# Altium PCB LimeNet-Micro_2v1.PcbDoc (part 3 of 11) (continued)
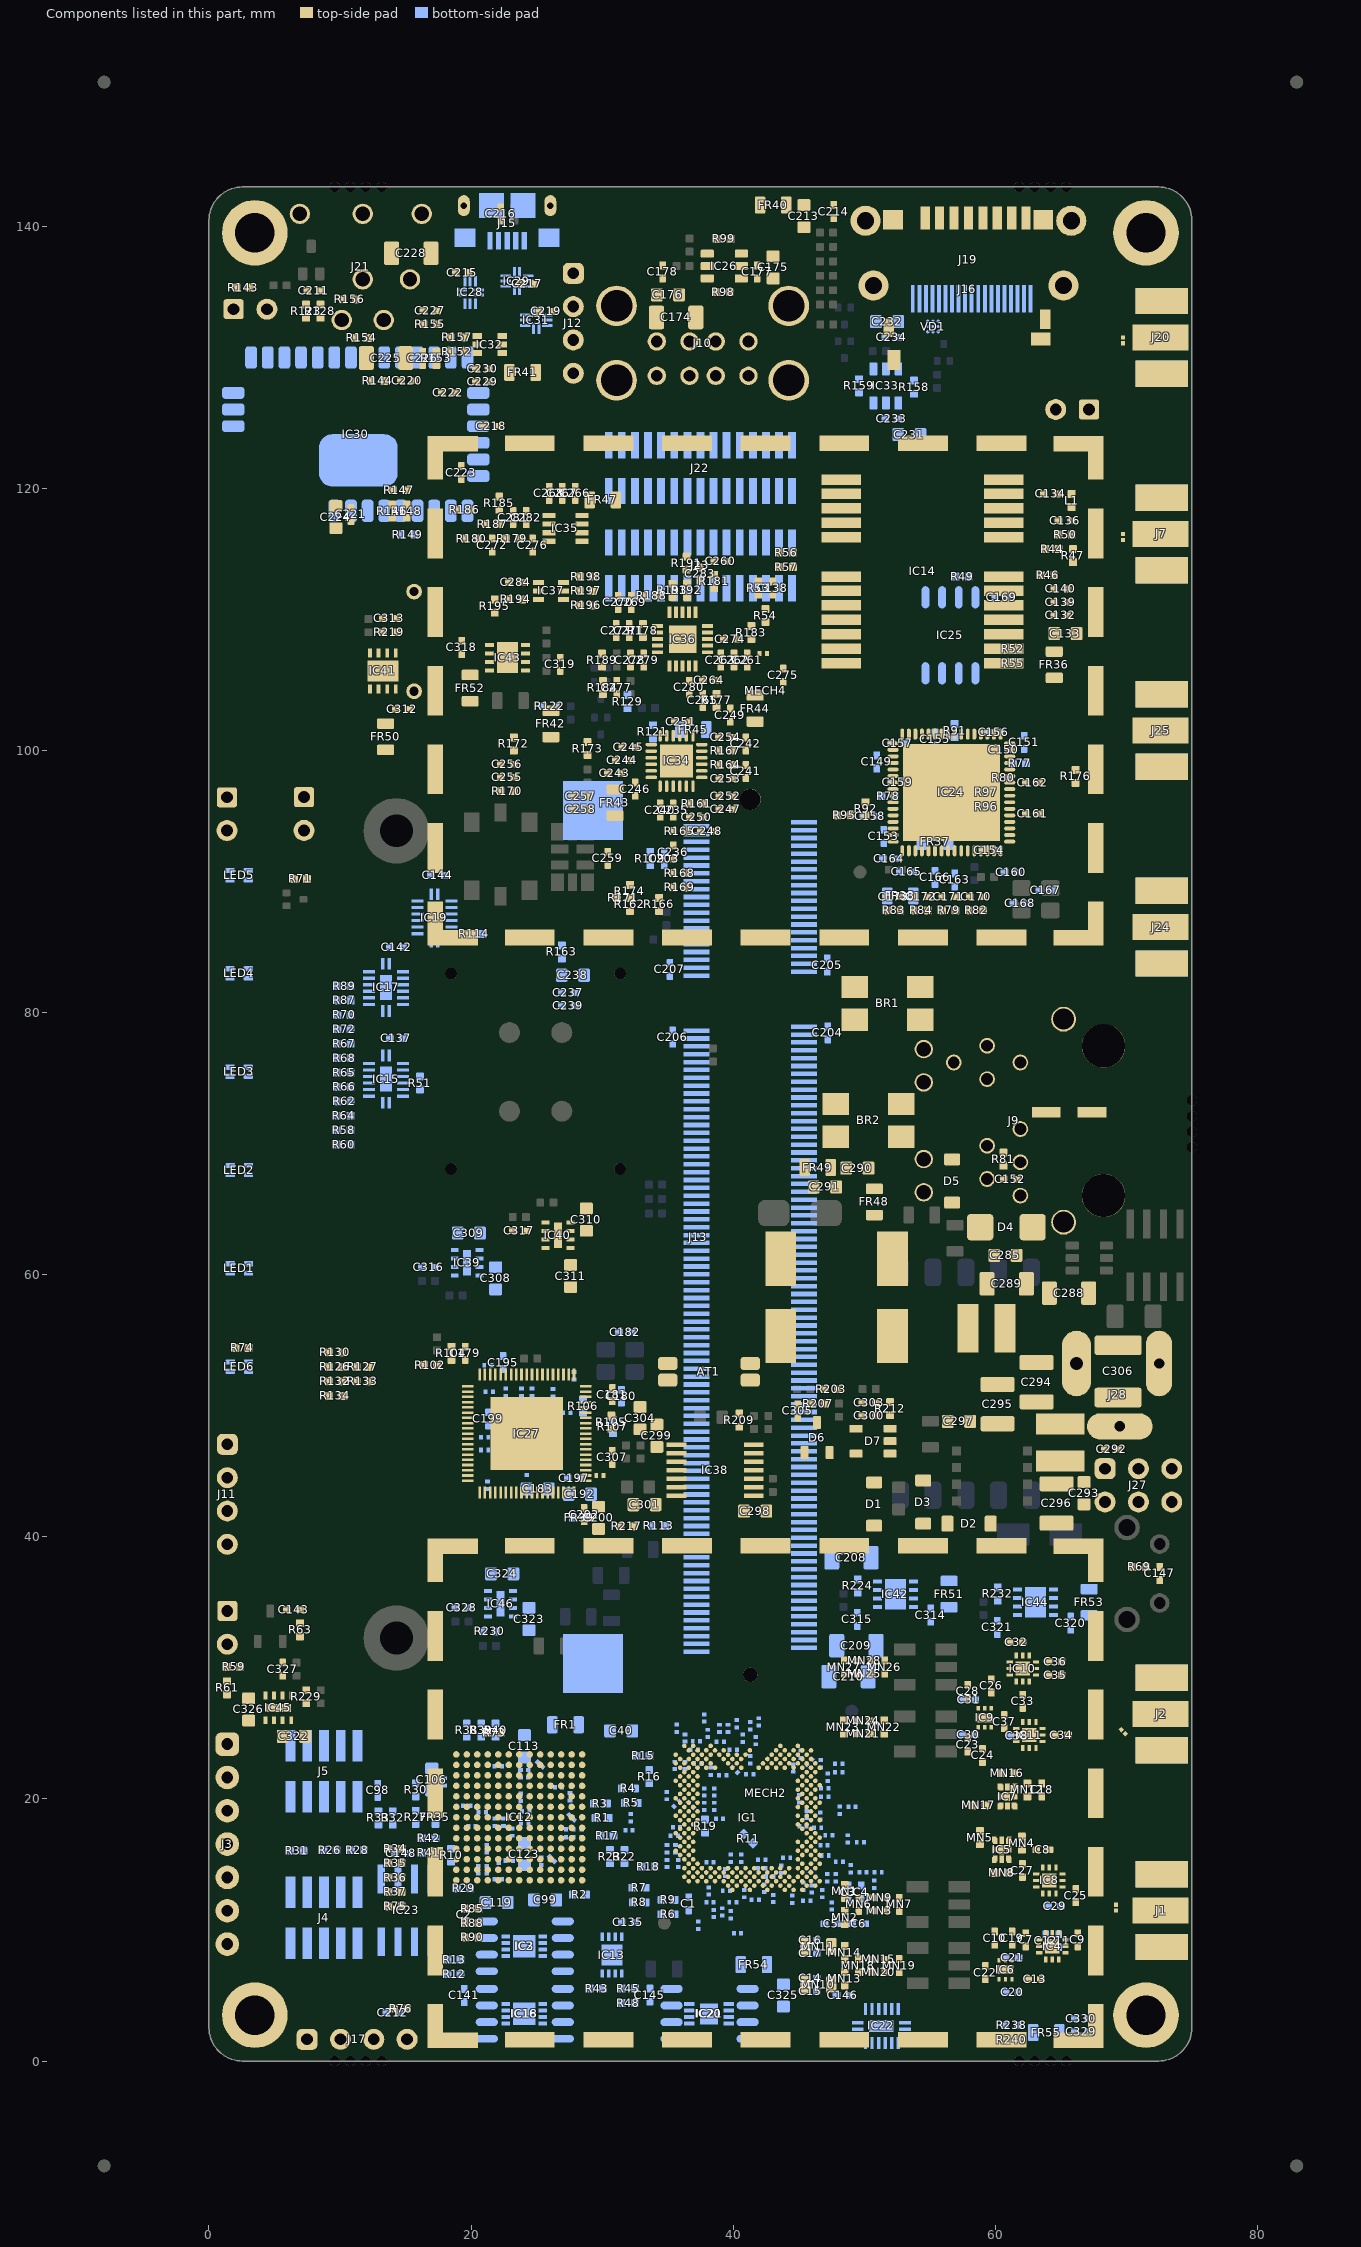
[diagram p7: the components of this part, seen from the top]
## Part data (continued)
IC7: library part Duplexer_taiyo_yuden_8pin, Manufacturer="Taiyo Yuden", Manufacturer Part Number 1=D6DA1G842K2C4-Z, Assembly Info=NF, Part Description="SAW DUPLEXER, LTE, BAND 3, 1814", Supplier 1="Taiyo Yuden", Supplier Part Number 1=D6DA1G842K2C4-Z
IC12: Manufacturer=Altera, Operating Temperature="0°C ~ 85°C (TJ)", Package / Case=169-LFBGA, Supplier Device Package="169-UBGA (11x11)", Supplier Part Number 1=544-3110-ND, Voltage - Supply="2.85 V ~ 3.465 V", Category="Integrated Circuits (ICs)", Manufacturer Part Number 1=10M16SAU169C8G, Mounting Type="Surface Mount", Number of Gates=-, Number of I/O=130, Number of LABs/CLBs=1000, Number of Logic Elements/Cells=16000, Part Description="IC FPGA/CPLD NV 130 I/O 169UBGA", RoHS="RoHS Compliant", Supplier 1=Digi-Key, Total RAM Bits=562176
IC13: Manufacturer="NXP Semiconductors", Manufacturer Part Number 1=LM75BTP,147, Operating Temperature="-55°C ~ 125°C", Package / Case="8-WFDFN Exposed Pad", Sensing Temperature - Remote=-, Supplier Device Package="8-HWSON (2x3)", Supplier Part Number 1=568-9815-2-ND, Voltage - Supply="2.8 V ~ 5.5 V", Accuracy - Highest (Lowest)="±2°C (±3°C)", Category="Sensors, Transducers", Features="Output Switch, Programmable Limit, Shutdown Mode", Output Type=I²C, Packaging="Tape & Reel (TR)", Part Description="SENSOR TEMPERATURE I2C 8HWSON", Resolution="10 b", RoHS="RoHS Compliant", Sensing Temperature - Local="-55°C ~ 125°C", Sensor Type="Digital, Local", Supplier 1=Digi-Key, Test Condition="-25°C ~ 100°C (-55°C ~ 125°C)"
IC14: library part NEO-M8P_M8M, "GNSS engine for GPS/QZSS, GLONASS", Manufacturer=u-blox, Manufacturer Part Number=NEO-M8Q-0, Supplier Part Number 1=672-1009-1-ND, ComponentLink1Description=https://www.u-blox.com/en/product/neo-7-series, ComponentLink1URL=https://www.u-blox.com/en/product/neo-7-series, ComponentLink2Description=Datasheet, ComponentLink3Description=https://www.u-blox.com/sites/default/files/NEO-M8-FW3_DataSheet_(UBX-15031086).pdf, ComponentLink3URL=https://www.u-blox.com/sites/default/files/NEO-M8-FW3_DataSheet_(UBX-15031086).pdf, Pricing 1="1=25, 10=20.244, 50=16.6216, 100=13.314 (USD)", Stock 1=5505, Supplier 1=Digi-Key
IC15 IC17 IC19 IC22: library part 74HC595BQ,115, Manufacturer="Nexperia USA Inc.", Manufacturer Part Number 1=74AHC595BQ,115, Operating Temperature="-40°C ~ 125°C", Package / Case="16-VFQFN Exposed Pad", Supplier Device Package="16-DHVQFN (2.5x3.5)", Supplier Part Number 1=1727-6021-2-ND, Voltage - Supply="2 V ~ 5.5 V", Base Part Number=74AHC595, Category="Integrated Circuits (ICs)", ComponentLink1Description=https://assets.nexperia.com/documents/data-sheet/74AHC_AHCT595.pdf, ComponentLink1URL=https://assets.nexperia.com/documents/data-sheet/74AHC_AHCT595.pdf, Function="Serial to Parallel, Serial", Logic Type="Shift Register", Mounting Type="Surface Mount", Output Type=Tri-State, Packaging="Tape & Reel (TR)", Part Description="C 8BIT SHIFT REGISTER 16-DHVQFN", Part Status=Active, Pricing 1="3000=0.17949, 6000=0.16791, 15000=0.15633, 30000=0.14822 (USD)", RoHS="RoHS Compliant", Stock 1=24000, Supplier 1=Digi-Key
IC20: library part ATECC508A_authentication_IC, Manufacturer=Microchip, Manufacturer Part Number 1=ATECC508A-MAHDA-S, Supplier Part Number 1=ATECC508A-MAHDA-SDKR-ND, Part Description="Authentication Chip IC Networking and Communications 8-UDFN (2x3)", Pricing 1="1=0.73, 25=0.7064 (USD)", Stock 1=27941, Supplier 1=Digi-Key
IC21: library part ATECC508A_authentication_IC, Base Part Number=ATECC508, Manufacturer="Microchip Technology", Manufacturer Part Number 1=ATECC508A-SSHDA-T, Package / Case="8-SOIC (0.154\", 3.90mm Width)", Supplier Device Package=8-SOIC, Supplier Part Number 1=ATECC508A-SSHDA-TCT-ND, Applications="Networking and Communications", Assembly Info=NF, Category="Integrated Circuits (ICs)", Mounting Type="Surface Mount", Packaging="Cut Tape (CT)", Part Description="Authentication Chip IC Networking and Communications 8-SOIC", Part Status=Active, RoHS="RoHS Compliant", Supplier 1=Digi-Key, Type="Authentication Chip"
IC23: library part M25P40, Manufacturer="ISSI, Integrated Silicon Solution Inc", Manufacturer Part Number 1=IS25LQ040B-JNLE, Operating Temperature="-40°C ~ 105°C (TA)", Package / Case="8-SOIC (0.154\", 3.90mm Width)", Supplier Device Package=8-SOIC, Supplier Part Number 1=706-1316-ND, Voltage - Supply="2.3 V ~ 3.6 V", Category="Integrated Circuits (ICs)", Memory Format=FLASH, Memory Interface="SPI - Quad I/O", Memory Size="4Mb (512K x 8)", Memory Type=Non-Volatile, Mounting Type="Surface Mount", Packaging=Bulk, Part Description="FLASH - NOR Memory IC 4Mb (512K x 8) SPI - Quad I/O 104MHz  8-SOIC", Part Status=Active, RoHS="RoHS Compliant", Supplier 1=Digi-Key, Technology="FLASH - NOR", Write Cycle Time - Word, Page=800µs
IC24: library part LAN9514-JZX-TR, Base Part Number=LAN9514, Current - Supply=288mA, Manufacturer="Microchip Technology", Operating Temperature="0°C ~ 70°C", Package / Case="64-VFQFN Exposed Pad", Supplier Device Package="64-QFN (9x9)", Supplier Part Number 1=LAN9514-JZX-DKR-ND, Voltage - Supply="1.8V, 3.3V", Category="Integrated Circuits (ICs)", ComponentLink1Description=http://www.microchip.com/mymicrochip/filehandler.aspx?ddocname=en562340, ComponentLink1URL=http://www.microchip.com/mymicrochip/filehandler.aspx?ddocname=en562340, Function="Bridge, USB to Ethernet", Interface=USB, Manufacturer Part Number 1=LAN9514-JZX-TR, Packaging=Digi-Reel®, Part Description="Ethernet Bridge, USB to Ethernet USB 2.0, 10/100 Base-T/TX PHY USB Interface 64-QFN (9x9", Part Status=Active, Pricing 1="1=5.84, 25=4.8616, 100=4.8363 (USD)", Protocol=Ethernet, RoHS="RoHS Compliant", Standards="USB 2.0, 10/100 Base-T/TX PHY", Stock 1=3000, Supplier 1=Digi-Key
IC25: library part 93LC66AT-I/SN_EEPROM, Manufacturer="Microchip Technology", Manufacturer Part Number 1=93LC66AT-I/SN, Operating Temperature="-40°C ~ 85°C (TA)", Package / Case="8-SOIC (0.154\", 3.90mm Width)", Supplier Device Package=8-SOIC, Supplier Part Number 1=93LC66AT-I/SNDKR-ND, Voltage - Supply="2.5 V ~ 5.5 V", Assembly Info=NF, Category="Integrated Circuits (ICs)", ComponentLink1Description=http://www.microchip.com/mymicrochip/filehandler.aspx?ddocname=en011819, ComponentLink1URL=http://www.microchip.com/mymicrochip/filehandler.aspx?ddocname=en011819, Memory Format=EEPROM, Memory Interface=SPI, Memory Size="4Kb (512 x 8)", Memory Type=Non-Volatile, Mounting Type="Surface Mount", Packaging=Digi-Reel®, Part Description="EEPROM Memory IC 4Kb (512 x 8) SPI 2MHz 8-SOIC", Part Status=Active, Pricing 1="1=0.27, 25=0.2576, 100=0.2543 (USD)", RoHS="RoHS Compliant", Stock 1=6857, Supplier 1=Digi-Key, Technology=EEPROM, Write Cycle Time - Word, Page=6ms
IC26 IC33: library part AP2553W6-7, Case/Package=SOT-26, Current=2.1A, Manufacturer=Diodes, Max Operating Temperature=85°C, Max Supply Voltage=5.5V, Min Operating Temperature=-40°C, Min Supply Voltage=2.7V, On-State Resistance=70mR, Package Quantity=3000, Power Rating=340mW, Supplier Part Number 1=AP2553W6-7DIDKR-ND, Fault Protection="Over Temperature,Reverse Current", Height=1.3mm, Interface=On/Off, Lead Free="Lead Free", Length=3.1mm, Manufacturer Part Number 1=AP2553W6-7, Max Output Current=2.1A, Mount="Surface Mount", Number of Outputs=1, Number of Pins=6, Output Configuration="High Side", Packaging="Tape and Reel", Part Description="IC PD SW CURR LIMIT SOT26", Pricing 1="1=0.5, 10=0.425, 100=0.3172, 500=0.24926, 1000=0.19261 (USD)", Radiation Hardening=No, REACH SVHC="No SVHC", Stock 1=53805, Supplier 1=Digi-Key, Turn-Off Delay Time=500us, Turn-On Delay Time=1.5ms, Voltage=5.5V, Width=1.7mm
IC27: Current - Supply=-, Manufacturer="FTDI, Future Technology Devices International Ltd", Manufacturer Part Number 1=FT601Q-B-T, Operating Temperature="-40°C ~ 85°C", Package / Case="76-VFQFN Exposed Pad", Supplier Device Package="76-QFN (9x9)", Supplier Part Number 1=768-1311-ND, Voltage - Supply="1.65 V ~ 3.6 V", Category="Integrated Circuits (ICs)", Function="Bridge, USB to FIFO", Interface=FIFO, Packaging=Tray, Part Description="IC USB3-32BIT SYNC FIFO 76QFN", Protocol=USB, RoHS="RoHS Compliant", Standards="USB 3.0", Supplier 1=Digi-Key
IC28 IC29 IC31: Base Part Number=FSUSB42, Manufacturer="ON Semiconductor", On-State Resistance (Max)="6.5 Ohm", Operating Temperature="-40°C ~ 85°C (TA)", Package / Case=10-UFQFN, Supplier Device Package="10-UMLP (1.8x1.4)", Supplier Part Number 1=FSUSB42UMXCT-ND, Voltage - Supply, Dual (V±)=-, Voltage - Supply, Single (V+)="2.4 V ~ 4.4 V", -3db Bandwidth=720MHz, Applications=USB, Category="Integrated Circuits (ICs)", ComponentLink1Description=https://www.fairchildsemi.com/datasheets/FS/FSUSB42.pdf, ComponentLink1URL=https://www.fairchildsemi.com/datasheets/FS/FSUSB42.pdf, Features="Break-Before-Make, USB 2.0", Manufacturer Part Number 1=FSUSB42UMX, Multiplexer/Demultiplexer Circuit=-, Packaging="Cut Tape (CT)", Part Description="USB Switch IC 1 Channel 10-UMLP (1.8x1.4)", Part Status=Active, Pricing 1="1=0.59, 10=0.502, 100=0.3749, 500=0.29458, 1000=0.22763 (USD)", RoHS="RoHS Compliant", Stock 1=8344, Supplier 1=Digi-Key, Switch Circuit=DPDT
IC30: library part WF111-A-V1_WIFI, Manufacturer="Bluegiga Technologies", Manufacturer Part Number 1=WF111-A-V1, Max Frequency=2.472GHz, Max Operating Temperature=85°C, Min Operating Temperature=-40°C, Operating Supply Voltage=3.3V, Supplier Part Number 1=1446-1031-6-ND, Assembly Info=NF, Data Rate=72200Kbps, Mount="Surface Mount", Number of Channels=13, Number of Pins=33, Part Description="RF TXRX MODULE WIFI CHIP ANT", Pricing 1="1=10.23, 25=9.8484, 100=9.4695 (USD)", Stock 1=1144, Supplier 1=Digi-Key
IC32: library part NC7WZ16P6X_DUAL_BUFFER, Case/Package=SC, High Level Output Current=-32mA, Low Level Output Current=32mA, Manufacturer="ON Semiconductor / Fairchild", Max Operating Temperature=125°C, Max Power Dissipation=180mW, Max Supply Voltage=5.5V, Min Operating Temperature=-40°C, Min Supply Voltage=1.65V, Package Quantity=3000, Quiescent Current=1uA, Supplier Part Number 1=NC7WZ16P6XDKR-ND, Contact Plating=Matte,Tin, Height=1mm, Lead Free="Lead Free", Length=2mm, Logic Function=Buffer,Inverting, Manufacturer Part Number 1=NC7WZ16P6X, Mount="Surface Mount", Number of Bits=2, Number of Bits per Element=1, Number of Channels=2, Number of Circuits=2, Number of Elements=2, Number of Input Lines=2, Number of Inputs=2, Number of Output Lines=2, Number of Outputs=2, Number of Pins=6, Packaging="Tape and Reel", Part Description="Buffer, Non-Inverting 2 Element 1 Bit per Element Push-Pull Output SC-70-6", Polarity=Non-Inverting, Propagation Delay=3.8ns, Radiation Hardening=No, REACH SVHC="No SVHC", Stock 1=0, Supplier 1=Digi-Key, Termination=SMD/SMT, Turn-On Delay Time=10.6ns, Weight=0.028g, Width=1.25mm
IC34: Frequency - Max=200MHz, Manufacturer="Texas Instruments", Manufacturer Part Number 1=LMK00105SQ/NOPB, Operating Temperature="-40°C ~ 85°C", Package / Case="24-WFQFN Exposed Pad", Supplier Device Package="24-WQFN (4x4)", Supplier Part Number 1=LMK00105SQ/NOPBCT-ND, Voltage - Supply="2.375 V ~ 3.45 V", Category="Integrated Circuits (ICs)", Differential - Input:Output=Yes/No, Input="HCSL, LVCMOS, LVDS, LVPECL, LVTTL, SSTL, Crystal", Part Description="IC CLK BUFFER 2:5 200MHZ 24WQFN", Supplier 1=Digi-Key, Type="Fanout Buffer (Distribution), Multiplexer, Translator"
IC35: Manufacturer="Analog Devices Inc.", Manufacturer Part Number 1=AD5662BRJZ-2REEL7, Operating Temperature="-40°C ~ 125°C", Package / Case=SOT-23-8, Supplier Part Number 1=AD5662BRJZ-2REEL7CT-ND, Voltage - Supply, Analog="2.7 V ~ 5.5 V", Architecture="String DAC", Category="Integrated Circuits (ICs)", ComponentLink1Description=http://www.analog.com/media/en/technical-documentation/data-sheets/AD5662.pdf, ComponentLink1URL=http://www.analog.com/media/en/technical-documentation/data-sheets/AD5662.pdf, Data Interface="SPI, DSP", Differential Output=No, INL/DNL (LSB)="±8, ±1 (Max)", Number of Bits=16, Number of D/A Converters=1, Output Type="Voltage - Buffered", Packaging="Cut Tape (CT)", Part Description="IC DAC 16BIT BUFF V-OUT SOT23-8", Part Status=Active, Pricing 1="1=7.55, 10=6.821, 100=5.6469, 500=4.91722, 1000=4.28274 (USD)", Reference Type=External, RoHS="RoHS Compliant", Settling Time=10µs, Stock 1=2784, Supplier 1=Digi-Key, Supplier Device Package=SOT-23-8, Voltage - Supply, Digital="2.7 V ~ 5.5 V"
IC36: Manufacturer="Analog Devices Inc", Manufacturer Part Number 1=ADF4002BCPZ-RL7, Operating Temperature="-40°C ~ 85°C", Package / Case="20-VFQFN Exposed Pad, CSP", Supplier Part Number 1=ADF4002BCPZ-RL7CT-ND, Voltage - Supply="2.7 V ~ 3.3 V", Category="Integrated Circuits (ICs)", Differential - Input:Output=Yes/No, Input="CMOS, TTL", Mounting Type="Surface Mount", Part Description="IC PLL FREQUENCY SYNTH 20-LFCSP", Ratio - Input:Output=2:1, Supplier=Digi-Key, Supplier 1=Digi-Key, Type="Clock/Frequency Synthesizer (RF), Phase Detector"
IC37: "Single 8-Bit nanoDAC with SPI Interface in LFCSP and SC70, 2.7 to 5.5 V, <100 uA, -40 to +125 degC, KS-6, Pb-Free, Reel", Generic Part Number=AD5601, Manufacturer="Analog Devices", Supplier Part Number 1=AD5601BKSZ-REEL7TR-ND, # DAC Outputs=1, Assembly Info=NF, Code_JEDEC=MO-203-AB, ComponentLink1Description="Manufacturer URL", ComponentLink1URL=http://www.analog.com/en/index.html, ComponentLink2Description=Datasheet, ComponentLink2URL=http://www.analog.com/static/imported-files/data_sheets/AD5601_5611_5621.pdf, ComponentLink3Description="Package Specification", ComponentLink3URL=http://www.analog.com/static/imported-files/packages/PKG_PDF/SC70(KS)/KS_6.pdf, ComponentLink4Description="Product URL", ComponentLink4URL=http://www.analog.com/en/digital-to-analog-converters/da-converters/ad5601/products/product.html, DatasheetVersion=Rev.F, Manufacturer Part Number 1=AD5601BKSZ-REEL7, Max V+=5.5V, Mounting Technology="Surface Mount", Op Pwr Diss=550µW, PackageDescription="6-Lead Thin Shrink Small Outline Transistor Package [SC70]", PackageReference=KS-6, PackageVersion=072809-A, Packing=Reel, Part Description="IC DAC 8BIT BUFF V-OUT SC70-6", PartNumber=AD5601BKSZ-REEL7, Resolution (Bits)=8, RoHS=Y, Settling Time=6µs, Single Supply=Yes, Supplier 1=Digi-Key, Supplier 2=Digi-Key, Supplier 3=Digi-Key, Supplier 4=Farnell, Supplier 5=Newark, Supplier 6=Newark, Supplier 7=Mouser, Supplier Part Number 2=AD5601BKSZ-REEL7CT-ND, Supplier Part Number 3=AD5601BKSZ-REEL7DKR-ND, Supplier Part Number 4=2312971, Supplier Part Number 5=59K4256, Supplier Part Number 6=67W3160, Supplier Part Number 7=584-AD5601BKSZ-R7
IC38: library part TPS23753A_PoE_controller, Case/Package=TSSOP, Frequency=248kHz, Manufacturer="Texas Instruments", Max Operating Temperature=125°C, Max Power Dissipation=13W, Max Supply Voltage=57V, Min Current Limit=405mA, Min Operating Temperature=-40°C, Min Supply Voltage=0uV, On-State Resistance=1.2R, Operating Supply Current=580uA, Package Quantity=2000, Supplier Part Number 1=296-39365-1-ND, ComponentLink1Description=https://www.verical.com/server-webapp/html/getDatasheet?partID=293818, ComponentLink1URL=https://www.verical.com/server-webapp/html/getDatasheet?partID=293818, ComponentLink2Description=http://www.ti.com/lit/ds/symlink/tps23753a.pdf, ComponentLink2URL=http://www.ti.com/lit/ds/symlink/tps23753a.pdf, ComponentLink3Description=http://www.ti.com/general/docs/lit/getliterature.tsp?genericPartNumber=TPS23753A&&fileType=pdf, ComponentLink3URL=http://www.ti.com/general/docs/lit/getliterature.tsp?genericPartNumber=TPS23753A&&fileType=pdf, ComponentLink4Description=http://focus.ti.com/lit/ds/symlink/tps23753a.pdf, ComponentLink4URL=http://focus.ti.com/lit/ds/symlink/tps23753a.pdf, Contact Plating=Gold, Height=1mm, Lead Free="Lead Free", Length=5mm, Manufacturer Part Number 1=TPS23753APWR, Number of Channels=1, Number of Pins=14, Packaging="Tape and Reel", Part Description="Power Over Ethernet Controller 1 Channel 802.3at (PoE+), 802.3af (PoE) 14-TSSOP", Power Dissipation=13W, Pricing 1="1 = 2,41000, 10 = 2,16200, 100 = 1,73760, 500 = 1,42758, 1000 = 1,18285 (USD)", Radiation Hardening=No, REACH SVHC="No SVHC", RoHS=Yes, Stock 1=40952, Supplier 1=Digi-Key, Turn-Off Delay Time=60ns
IC39 IC40 IC45 IC46: Current - Output (Max)=1A, Manufacturer="Texas Instruments", Manufacturer Part Number 1=LMZ10501SILR, Operating Temperature="-40°C ~ 125°C", Package / Case="8-LDFN Exposed Pad, Module", Supplier Device Package=8-uSIP, Supplier Part Number 1=296-37104-1-ND, Voltage - Input (Max)=5.5V, Voltage - Input (Min)=2.7V, Voltage - Output 1="0.6 ~ 3.6 V", Voltage - Output 2=-, Applications="ITE (Commercial)", Category="Power Supplies - Board Mount", ComponentLink1Description=http://www.ti.com/lit/ds/symlink/lmz10501.pdf, ComponentLink1URL=http://www.ti.com/lit/ds/symlink/lmz10501.pdf, Efficiency=95%, Features="OCP, OTP, UVLO", Mounting Type="Surface Mount", Packaging="Cut Tape (CT)", Part Description="n  Non-Isolated PoL Module DC DC Converter 1 Output 0.6 ~ 3.6 V 1A 2.7V - 5.5V Input", Part Status=Active, Pricing 1="1=2.46, 5=2.424, 10=2.388, 25=2.318, 50=2.2478, 100=2.1776, 250=2.1074, 500=1.96688 (USD)", RoHS="RoHS Compliant", Size / Dimension="0.12\" L x 0.10\" W x 0.03\" H (3.0mm x 2.5mm x 0.7mm)", Stock 1=26559, Supplier 1=Digi-Key, Type="Non-Isolated PoL Module", Voltage - Output 3=-
IC41 IC42 IC43 IC44: library part AP7361, Current - Limit (Min)=1.1A, Current - Output=1A, Manufacturer="Diodes Incorporated", Manufacturer Part Number 1=AP7361-FGE-7, Operating Temperature="-40°C ~ 85°C", Package / Case="8-UDFN Exposed Pad", Supplier Device Package=U-DFN3030-8, Supplier Part Number 1=AP7361-FGE-7DICT-ND, Voltage - Dropout (Typical)="0.5V @ 1A", Voltage - Input="2.2 V ~ 6 V", Voltage - Output="0.8 V ~ 5.5 V", Category="Integrated Circuits (ICs)", Mounting Type="Surface Mount", Number of Regulators=1, Packaging="Cut Tape (CT)", Part Description="IC REG LDO ADJ 1A 8DFN", Regulator Topology="Positive Adjustable", RoHS="RoHS Compliant", Supplier 1=Digi-Key
  IC41: Assembly Info=NF
J1 J2 J7 J20 J24 J25: library part RF_IF_connector, "CONN SMA JACK STR 50OHM EDGE MNT", Dielectric Material=-, Manufacturer="RF Solutions", Manufacturer Part Number 1=CON-SMA-EDGE-S, Supplier Part Number 1=CON-SMA-EDGE-S-ND, Body Finish=-, Body Material=-, Cable Group=-, Category="Connectors, Interconnects", Center Contact Material=-, Center Contact Plating=-, ComponentLink1Description=http://media.digikey.com/pdf/Data%20Sheets/RF%20Solutions%20PDFs/CON-SMA-EDGE.pdf, ComponentLink1URL=http://media.digikey.com/pdf/Data%20Sheets/RF%20Solutions%20PDFs/CON-SMA-EDGE.pdf, Connector Style=SMA, Connector Type="Jack, Female Socket", Contact Termination=Solder, Fastening Type=Threaded, Features=-, Frequency - Max=-, Housing Color=-, Impedance=-, Includes=-, Ingress Protection=-, Insertion Loss=-, Mating Cycles=-, Mounting Feature=-, Mounting Type="Board Edge, End Launch", Operating Temperature=-, Packaging=-, Part Description="SMA Connector Jack, Female Socket Board Edge, End Launch Solder", Part Status=Active, Pricing 1="1=2.1 (USD)", RoHS="RoHS Compliant", Shield Termination=Solder, Stock 1=1751, Supplier 1=Digi-Key, Voltage Rating=-
  J20: Assembly Info=NF
J3: library part Header7P, "Header, 7-pin", Color=Black, Manufacturer="Sullins Connector Solutions", Manufacturer Part Number 1=PEC07SAAN, Supplier Part Number 1=S1012E-07-ND, Assembly Info=NF, Category="Connectors, Interconnects", Connector Type="Header, Unshrouded, Breakaway", Contact Finish=Tin, Contact Finish Thickness="100µin (2.54µm)", Contact Mating Length="0.230\" (5.84mm)", Contact Type="Male Pin", Fastening Type=-, Features=-, Mounting Type="Through Hole", Number of Positions=7, Number of Positions Loaded=All, Number of Rows=1, Packaging=Bulk, Part Description="7 Positions Header, Unshrouded, Breakaway Connector 0.100\" (2.54mm) Through Hole Tin", Pitch="0.100\" (2.54mm)", RoHS="RoHS Compliant", Row Spacing=-, Supplier 1=Digi-Key, Termination=Solder
J4 J5: library part "Header 5X2_SWD", "Header, 5-Pin, Dual row", Color=Black, Manufacturer="Harwin Inc", Manufacturer Part Number 1=M50-3600542, Supplier Part Number 1=952-1389-ND, Category="Connectors, Interconnects", Connector Type=Unshrouded, Contact Finish=Gold, Contact Finish Thickness="3µin (0.08µm)", Contact Mating Length="0.118\" (3.00mm)", Features=-, Height Stacking (Mating)=-, Molding Height Above Board="0.039\" (1.00mm)", Mounting Type="Surface Mount", Number of Positions=10, Number of Positions Loaded=All, Number of Rows=2, Packaging=Bulk, Part Description="CONN HDR 1.27MM SMD AU 10POS", Pitch="0.050\" (1.27mm)", RoHS="RoHS Compliant", Row Spacing="0.050\" (1.27mm)", Supplier 1=Digi-Key, Termination=Solder
J6 J8 J14 J18 J26: library part Jumper, Color=Black, Manufacturer=3M, Manufacturer Part Number 1=961102-6404-AR, Supplier Part Number 1=3M9447-ND, Category="Connectors, Interconnects", Connector Type="Header, Unshrouded", Contact Finish=Gold, Contact Type="Male Pin", Mounting Type="Through Hole", Part Description="2 Positions Header, Unshrouded Connector 0.100\" (2.54mm) Through Hole Gold", Supplier 1=Digi-Key
  J6 J26: Assembly Info=NF
J9: library part RJ45_SI-52003-F, LED Color="Green - Green", Manufacturer="Stewart Connector", Operating Temperature=-, Supplier Part Number 1=380-1119-ND, Applications="10/100 Base-T, AutoMDIX, Power over Ethernet (PoE)", Category="Connectors, Interconnects", ComponentLink1Description=https://belfuse.com/resources/StewartConnector/SI-52003-F.pdf, ComponentLink1URL=https://belfuse.com/resources/StewartConnector/SI-52003-F.pdf, Connector Type=RJ45, Contact Finish=Gold, Contact Finish Thickness="50.0µin (1.27µm)", Contact Material="Copper Alloy", Features="Board Guide", Height Above Board="0.550\" (13.97mm)", Housing Material=Thermoplastic, Manufacturer Part Number 1=SI-52003-F, Mounting Type="Through Hole", Number of Cores per Jack=4, Orientation="90° Angle (Right)", Packaging=Tray, Part Description="1 Port RJ45 Magjack Connector Through Hole 10/100 Base-T, AutoMDIX, Power over Ethernet (PoE)", Part Status=Active, Pricing 1="1=5.33, 10=5.112, 25=4.686, 50=4.473, 100=4.26, 250=3.72752, 500=3.621, 1000=3.0885, 2500=2.8755 (USD)", RoHS="RoHS Compliant", Shielding="Shielded, EMI Finger", Shield Material="Copper Alloy", Stock 1=11085, Supplier 1=Digi-Key, Tab Direction=Up, Termination=Solder
J10: library part USB_typeA_double_USBR-A-D-F-O-TH, Manufacturer=Samtec, Manufacturer Part Number 1=USBR-A-D-F-O-TH, Max Operating Temperature=85°C, Max Voltage Rating (AC)=30V, Min Operating Temperature=-50°C, Supplier Part Number 1=SAM10376-ND, Contact Material=Bronze, Contact Plating=Gold, Gender=Female, Housing Material=Thermoplastic, Mount="Through Hole", Number of Contacts=4, Number of Ports=1, Number of Terminals=4, Orientation="Right Angle", Packaging=Bulk, Part Description="USB - A USB 2.0 Receptacle Connector 8 Position Through Hole, Right Angle", Pricing 1="1=1.6, 10=1.448, 25=1.3592, 50=1.3002, 100=1.2411, 250=1.12292, 500=1.03426, 1000=0.8865, 2500=0.8274 (USD)", Radiation Hardening=No, Stock 1=2359, Supplier 1=Digi-Key, Termination=Solder
J11 J12 J17: library part Header4P, "Header, 4-pin", Current Rating=3A, Insulation Color=Black, Manufacturer="Wurth Electronics Inc.", Manufacturer Part Number 1=61300411121, Material Flammability Rating="UL94 V-0", Operating Temperature="-40°C ~ 125°C", Supplier Part Number 1=732-5317-ND, Voltage Rating=250V, Applications=-, Category="Connectors, Interconnects", ComponentLink1Description=http://katalog.we-online.de/em/datasheet/6130xx11121.pdf, ComponentLink1URL=http://katalog.we-online.de/em/datasheet/6130xx11121.pdf, Connector Type=Header, Contact Finish - Mating=Gold, Contact Finish - Post=-, Contact Finish Thickness - Mating=-, Contact Finish Thickness - Post=-, Contact Length - Mating="0.236\" (6.00mm)", Contact Length - Post="0.118\" (3.00mm)", Contact Material="Copper Alloy", Contact Shape=Square, Contact Type="Male Pin", Fastening Type=Push-Pull, Features=-, Ingress Protection=-, Insulation Height="0.100\" (2.54mm)", Insulation Material="Polybutylene Terephthalate (PBT)", Mated Stacking Heights=-, Mounting Type="Through Hole", Number of Positions=4, Number of Positions Loaded=All, Number of Rows=1, Overall Contact Length="0.454\" (11.54mm)", Packaging=Bulk, Part Description="4 Positions Header Connector 0.100\" (2.54mm) Through Hole Gold", Part Status=Active, Pitch - Mating="0.100\" (2.54mm)", Pricing 1="1=0.18, 10=0.153, 25=0.1272, 50=0.106, 100=0.096, 1000=0.088 (USD)", RoHS="RoHS Compliant", Row Spacing - Mating=-, Shrouding=Unshrouded, Stock 1=25204, Style="Board to Board or Cable", Supplier 1=Digi-Key, Termination=Solder
  J11 J12: Assembly Info=NF
J13: library part 1717254-1, Manufacturer="TE Connectivity AMP Connectors", Manufacturer Part Number 1=1717254-4, Supplier Part Number 1=A130932CT-ND, Category="Connectors, Interconnects", Connector Style=SODIMM, Contact Finish=Gold, Contact Finish Thickness=Flash, Features="Board Guide, Latches", Memory Type="DDR SDRAM", Mounting Feature="Normal, Standard - Top", Mounting Type="Surface Mount, Right Angle", Packaging="Cut Tape (CT)", Part Description="200 Position SODIMM DDR SDRAM Socket Surface Mount, Right Angle", Part Status=Active, RoHS="RoHS Compliant", Standards=-, Supplier 1=Digi-Key
J15: library part USB_Micro_TypeB, "Connector SMD USB Micro Type B", Manufacturer="Amphenol FCI", Manufacturer Part Number 1=10118193-0001LF, Supplier Part Number 1=609-4616-2-ND, Category="Connectors, Interconnects", Connector Type="USB - micro B", Mounting Type="Surface Mount, Right Angle, Horizontal", Number of Contacts=5, Part Description="CONN USB MICRO B RECPT SMT R/A", Supplier 1=Digi-Key
J16: library part MICRO_SD_114-00841-68, Manufacturer="Amphenol Commercial Products", Manufacturer Part Number 1=114-00841-68, Supplier Part Number 1=114-00841-68-1-ND, Card Type="Secure Digital - microSD™", Category="Connectors, Interconnects", ComponentLink1Description=https://www.amphenolcanada.com/ProductSearch/drawings/AC/1140084168.pdf, ComponentLink1URL=https://www.amphenolcanada.com/ProductSearch/drawings/AC/1140084168.pdf, Connector Type=Connector, Contact Finish=Gold, Contact Finish Thickness="15.0µin (0.38µm)", Ejector Side=-, Features=Switch, Height Above Board="0.061\" (1.55mm)", Insertion, Removal Method="Push In, Pull Out", Mounting Feature="Normal, Standard - Top", Mounting Type="Surface Mount, Right Angle", Number of Positions="10 (8 + 2)", Packaging="Cut Tape (CT)", Part Description="10 (8 + 2) Position Card Connector Secure Digital - microSD™ Surface Mount, Right Angle Gold", Part Status=Active, Pricing 1="1=1.5, 10=1.358, 25=1.2752, 50=1.2196, 100=1.1642, 250=1.05336, 500=0.9702 (USD)", RoHS="RoHS Compliant", Stock 1=5866, Supplier 1=Digi-Key
J19: library part HDMI_AMPHENOL_10029449-111RLF, Colour=Black, Insulation Resistance=100MR, Manufacturer="Amphenol FCI", Manufacturer Part Number 1=10029449-111RLF, Max Operating Temperature=85°C, Max Voltage Rating (AC)=40V, Min Operating Temperature=-55°C, Package Quantity=400, Supplier Part Number 1=649-10029449-111RLF, Body Material="Stainless Steel", Connector Type=HDMI, Contact Material="Bronze,Copper Alloy", Contact Plating=Gold, Depth=9.5mm, Features=Shielded, Gender=Receptacle, Housing Material=Thermoplastic, Lead Free="Lead Free", Length=15.7mm, Mount="Horizontal,Surface Mount", Number of Contacts=19, Number of Ports=1, Number of Positions=19, Number of Terminals=19, Orientation="Right Angle", Packaging="Tape and Reel", Part Description="HDMI HDMI™ 1.4 Receptacle Connector 19 Position Surface Mount, Right Angle; Through Hole", Pitch=0.5mm, Pricing 1="1=0.72, 10=0.661, 50=0.525, 100=0.503, 1000=0.367, 10000=0.325 (USD)", Radiation Hardening=No, REACH SVHC="No SVHC", Stock 1=4435, Supplier 1=Mouser, Termination=Solder, Voltage Rating=40V
J21: library part AUDIO_JACK_3mm5_SJ-4351X, Body Color=Black, Current Rating=1A, Insulation Color=-, Manufacturer="CUI Inc.", Manufacturer Part Number 1=SJ-43515TS, Operating Temperature="-20°C ~ 85°C", Supplier Part Number 1=CP-43515TS-ND, Voltage - Rated=12VDC, Actual Diameter="0.142\" (3.60mm)", Body Material=-, Cable Opening=-, Category="Connectors, Interconnects", ComponentLink1Description=http://www.cui.com/product/resource/digikeypdf/sj-4351x.pdf, ComponentLink1URL=http://www.cui.com/product/resource/digikeypdf/sj-4351x.pdf, Connector Type="Phone Jack", Contact Material="Brass, Copper Alloy, Phosphor Bronze", Contact Material - Plating=Gold, Features=-, Gender=Female, Housing Material="Polyamide (PA66), Nylon 6/6", Includes=-, Industry Recognized Mating Diameter="3.50mm (0.141\", 1/8\", Mini Plug) - Headphone", Internal Switch(s)="Single Switch", Mating Length/Depth="0.551\" (14.00mm)", Mounting Type="Through Hole, Right Angle", Number of Positions/Contacts="4 Conductors, 5 Contacts", Packaging=Bulk, Panel Hole Size=-, Part Description="CONN JACK 4COND 3.5MM R/A", Part Status=Active, Pricing 1="1=1.04, 10=0.91, 25=0.8568, 50=0.8212, 100=0.7854, 250=0.714, 500=0.6426, 1000=0.5712, 2500=0.51765 (USD)", RoHS="RoHS Compliant", Shielding=Unshielded, Signal Lines=Multiple, Stock 1=62424, Supplier 1=Digi-Key, Termination=Solder, Thread Size=-
J22 J23: library part FPC_CONNECTOR_15pin_1-1734248-5, Contact Current Rating=1A, Flammability Rating="UL94 V-0", Housing Colour=Black, Manufacturer="TE Connectivity", Manufacturer Part Number 1=1-1734248-5, Max Operating Temperature=185°C, Min Operating Temperature=-4°C, Package Quantity=1000, Supplier Part Number 1=A101418DKR-ND, Voltage Rating=125V, Circuit Application=Signal, Connector System=Flex-to-Board, Connector Type=Connector,Receptacle,Socket, Contact Material=Bronze, Contact Plating=Gold, Current Rating=1A, Depth=4.6mm, ELV=Compliant, Gender=Receptacle, Height=7.7mm, Housing Material=Thermoplastic, Length=22.4mm, Mating Alignment="Yes (With)", Mount="Surface Mount", Number of Contacts=15, Number of Positions=15, Number of Rows=1, Orientation=Straight, Packaging="Tape and Reel", Part Description="15 Position FPC Connector Contacts, Vertical, 1 Sided 0.039\" (1.00mm) Surface Mount", PCB Mount Alignment="No (Without)", PCB Mount Retention=With, Pitch=1mm, Pricing 1="1=1.03, 10=0.909, 25=0.8556, 50=0.82, 100=0.7843, 250=0.713, 500=0.6417 (USD)", REACH SVHC=Unknown, Sealable="No (Without)", Shielding=Unshielded, Shrouded="Yes (With)", Stock 1=11808, Supplier 1=Digi-Key, Termination=SMD/SMT, Width=4.6mm, Wire/Cable Type="Flat Flex"